# KiCad board ni_arena_12-12.kicad_pcb (continued)
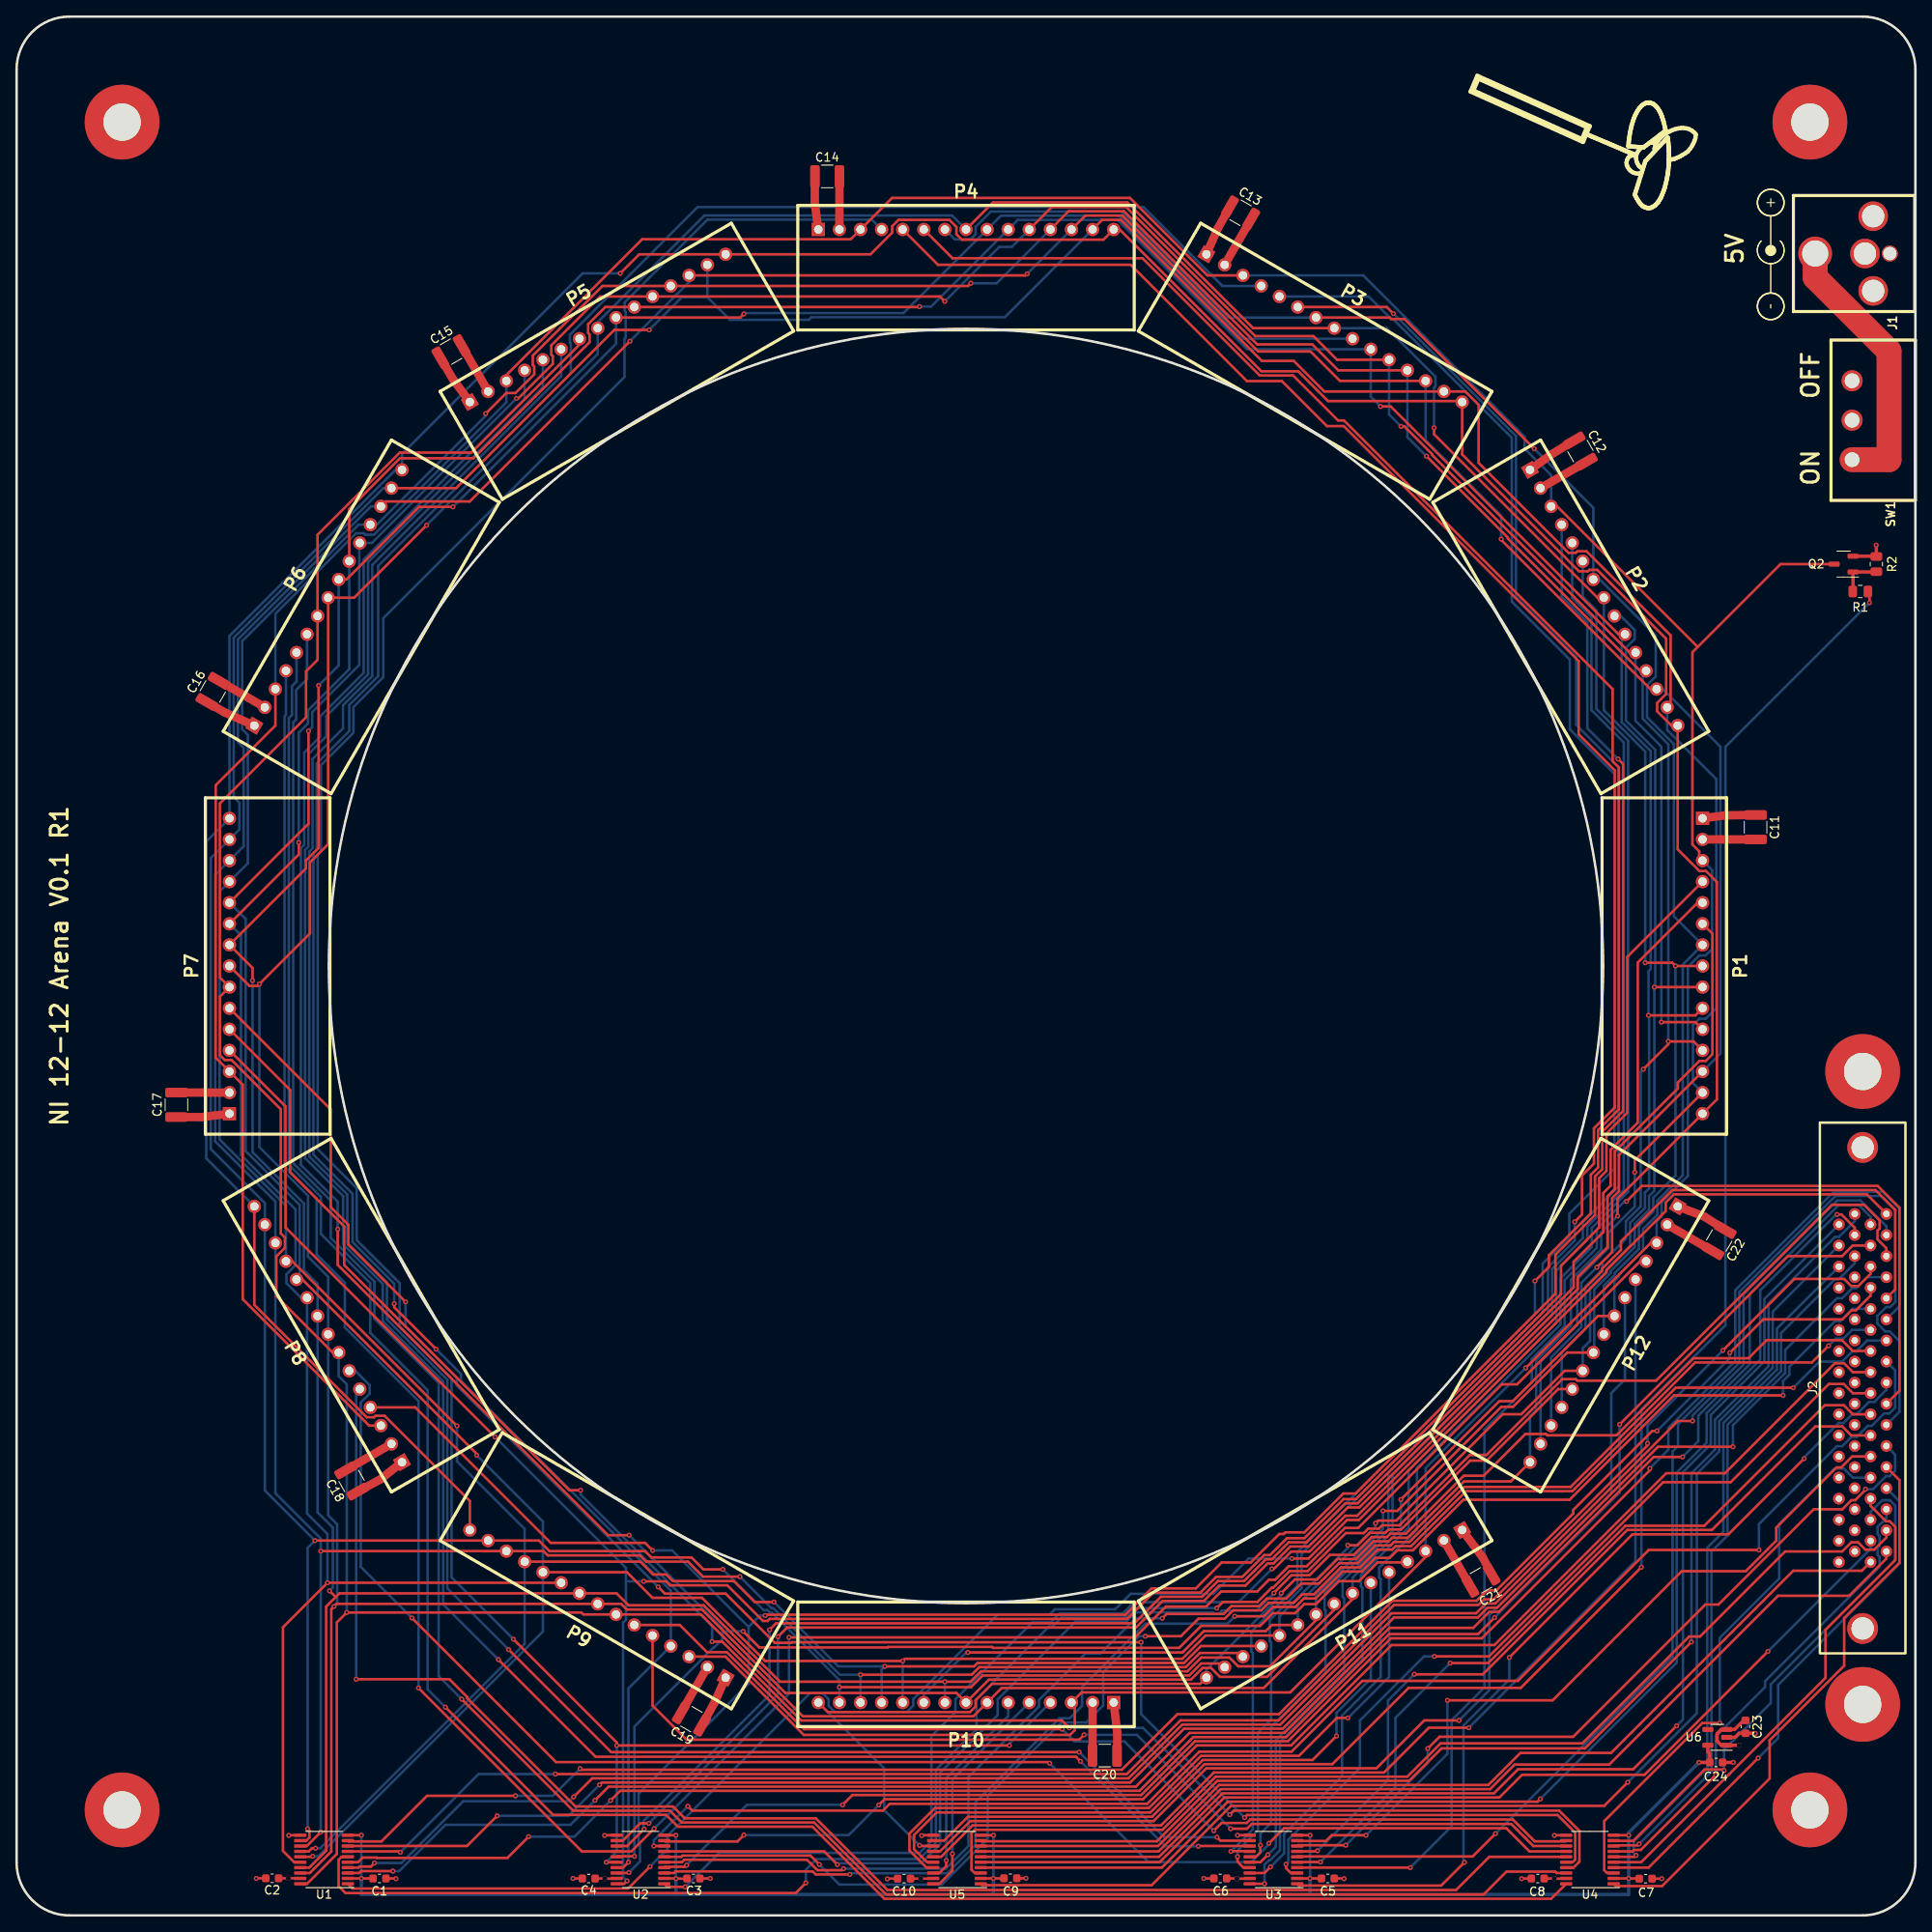
[diagram p0: board, top side]
## Routing (per net, layer and track width the routed paths; a pad name or vN(x,y) marks a point on that pad's centre or on a via; arc(x,y) is an arc through that point) (continued)
/Level Shifters/PAN5V.SCK_04: length 306.8
  Top w0.3: v1(87.48,34.2) 89.41,32.26 104.87,32.26 104.93,32.32 117.44,32.32 117.55,32.21 139.96,32.21 142.62,34.86 149.71,34.86 151.24,36.38 153.93,36.38 155.02,37.47 156.43,37.47 159.19,40.23 161.59,40.23 163.86,42.5 167.35,42.5 P11.4 ; U2.15 72.32,7.12 v1(74.38,7.12) ; v1(38.66,82.61) 38.66,78.32 71.21,45.77 v1(73.75,45.77)
  Bottom w0.3: 84.98,34.2 84.98,34.54 v1(73.75,45.77) ; 84.98,34.2 84.98,33.24 83.98,32.25 83.89,32.25 74.38,22.73 v1(74.38,7.12) ; 84.98,34.2 v1(87.48,34.2) ; v1(38.66,82.61) 38.66,85.93 34.23,90.36 34.23,128.49 34.62,128.89 34.62,140 36.53,141.91 36.53,144.34 41.78,149.59 41.78,163.22 61.16,182.6 P5.4
/Level Shifters/PAN5V.SCK_05: length 318.6
  Top w0.3: v1(48.39,27.38) 68.06,7.7 U2.14 74.01,7.7 v1(76.76,10.46) ; v1(92.99,33.47) 134.65,33.47 138.36,37.18 143.22,37.18 145.03,38.99 149.36,38.99 150.77,40.4 151.52,40.4 153.14,42.03 155.31,42.03 159.92,46.64 161.52,46.64 178.82,63.94 180.65,63.94 195.47,78.76 P12.4
  Bottom w0.3: v1(76.76,10.46) 92.99,26.69 v1(92.99,33.47) ; v1(48.39,27.38) 48.39,61.92 39.51,70.79 39.51,76.18 36.13,79.56 36.13,86.3 32.26,90.17 32.26,144.36 32.43,144.52 P6.4
/Panel Headers/RESET: length 579.7
  Top w0.3: v1(181.68,65.91) 196.74,80.96 P12.3 ; P2.3 185.47,169.64 202.39,152.72 ; P9.3 85.34,31.16 94.77,21.73 126.83,21.73 127.39,22.29 127.39,25.23 P10.3 128.22,26.85 153.33,26.85 169.64,43.15 P11.3 ; 202.39,152.72 212.36,162.69 Q2.3 ; 202.39,152.72 201.76,152.08 201.76,128.93 202.58,128.11 202.58,127.4 P1.3 ; P6.3 31.16,143.25 23.97,136.06 23.97,103.26 P7.3 27.22,100 27.22,74.18 42.44,58.96 P8.3 ; P5.3 58.96,185.45 75.31,201.8 100.42,201.8 P4.3 105.39,206.77 134.04,206.77 143.37,197.44 P3.3
  Bottom w0.3: P2.3 184.74,173.39 181.55,176.59 181.55,178.02 162.13,197.44 P3.3 ; P5.3 58.96,182.17 43.03,166.23 41.95,166.23 41.78,166.4 40.85,166.4 31.16,156.71 P6.3 ; P12.3 197.44,83.57 198.04,84.16 198.04,85.85 201.21,89.02 201.21,114.2 202.58,115.57 203.34,115.57 204.13,116.36 204.13,125.85 P1.3 ; v1(181.68,65.91) 169.64,53.86 P11.3
Net-(Q2-G): length 5.2
  Top w0.4: R2.2 223.86,161.74 Q2.1 221.1,159.42 R1.1
Net-(SW1-A): length 32.9
  Top w3: SW1.1 225.43,175.26 225.43,188.31 216.54,197.2 216.54,200.08

## Copper pours and planes (outline as drawn; the poured copper is in the pictures)
+5V on In2.Cu: 1.27,222.25 1.27,6.35 6.35,1.27 222.25,1.27 227.33,6.35 227.33,222.25 222.25,227.33 6.35,227.33
GND on In1.Cu: 1.27,222.25 1.27,6.35 6.35,1.27 222.25,1.27 227.33,6.35 227.33,222.25 222.25,227.33 6.35,227.33

## Text on the board
F.Silkscreen: 5V | ON    OFF | NI 12-12 Arena V0.1 R1
